# Altium PCB dv_cm.PcbDoc (part 1 of 2)
Units mm, origin at the board's own origin, x right, y up, seen from the top; angles counter-clockwise.
Board outline 86 x 62 mm, 4 copper layers (Top Layer, Ground, Power, Bottom Layer), stack 1.781 mm thick; 145 components, 168 nets, 872 pads, 199 vias.
Unrouted connection lines stored in the file: 3.
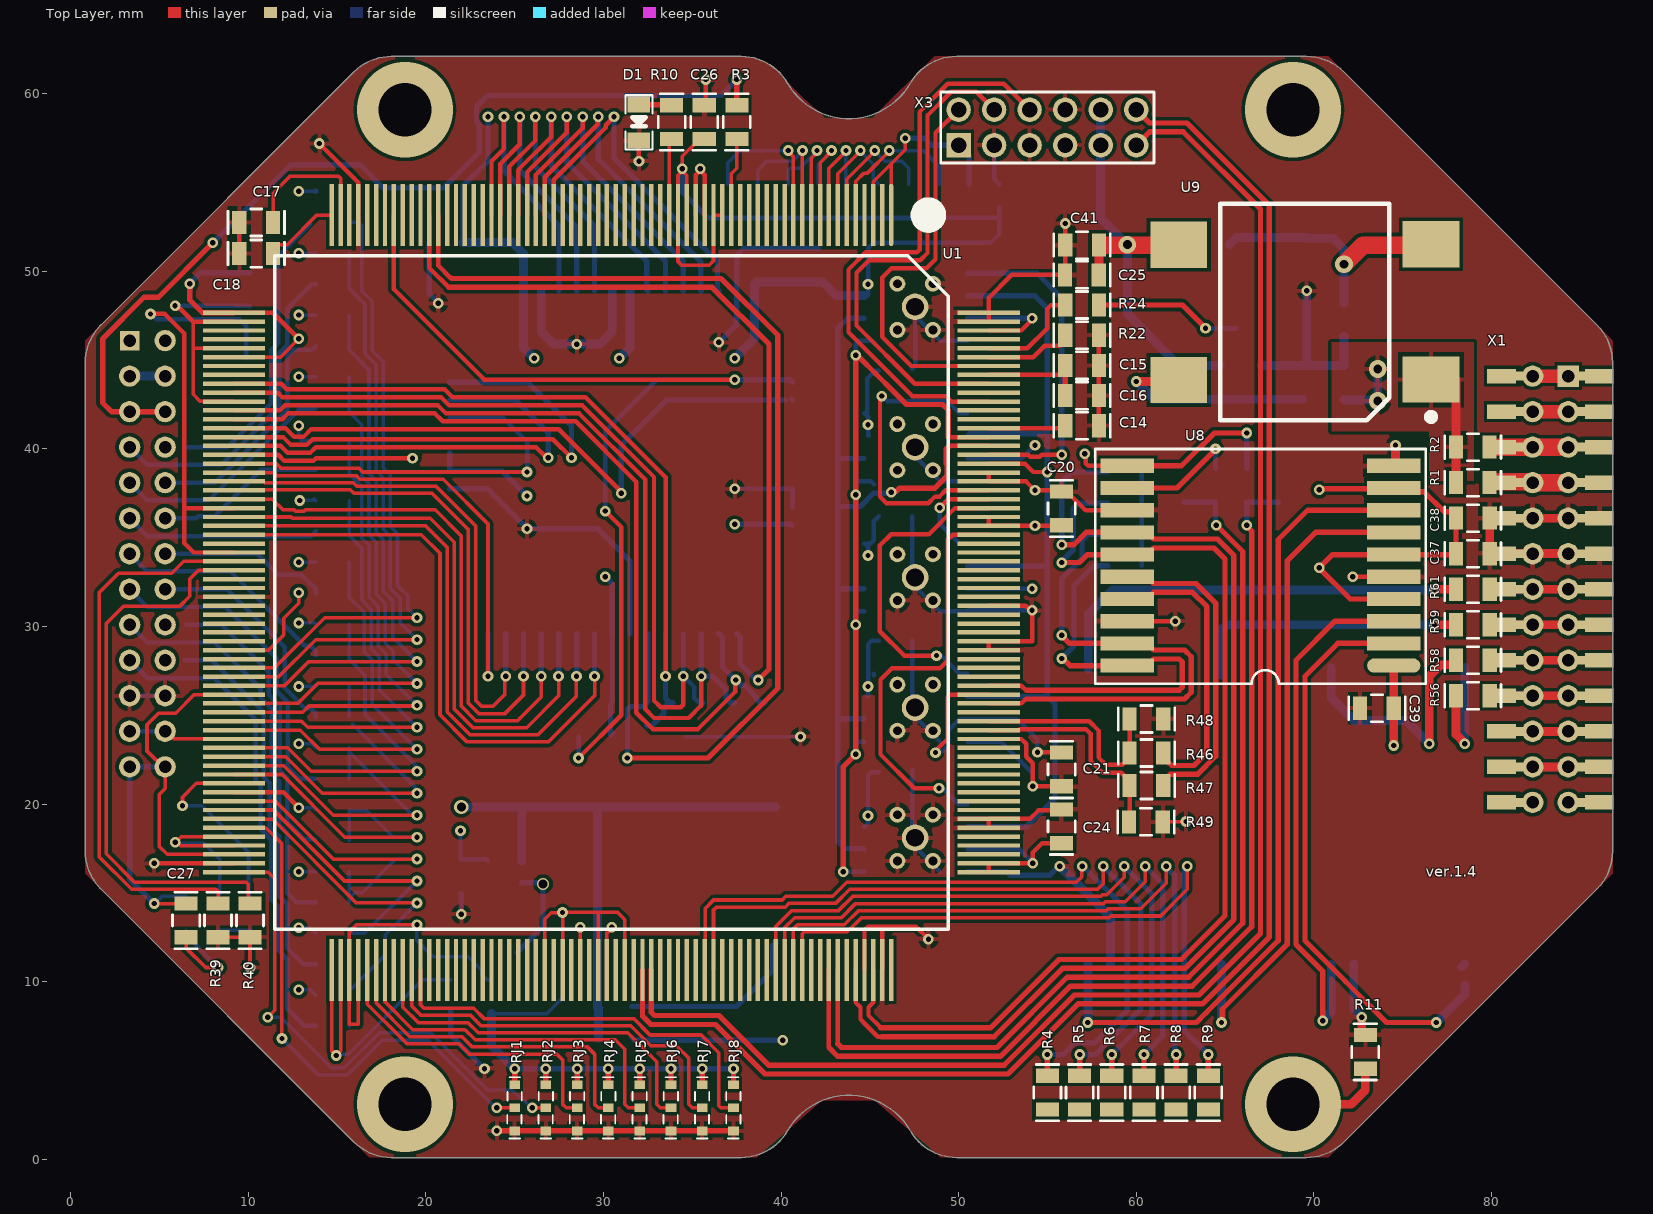
[diagram p0: Top Layer view]
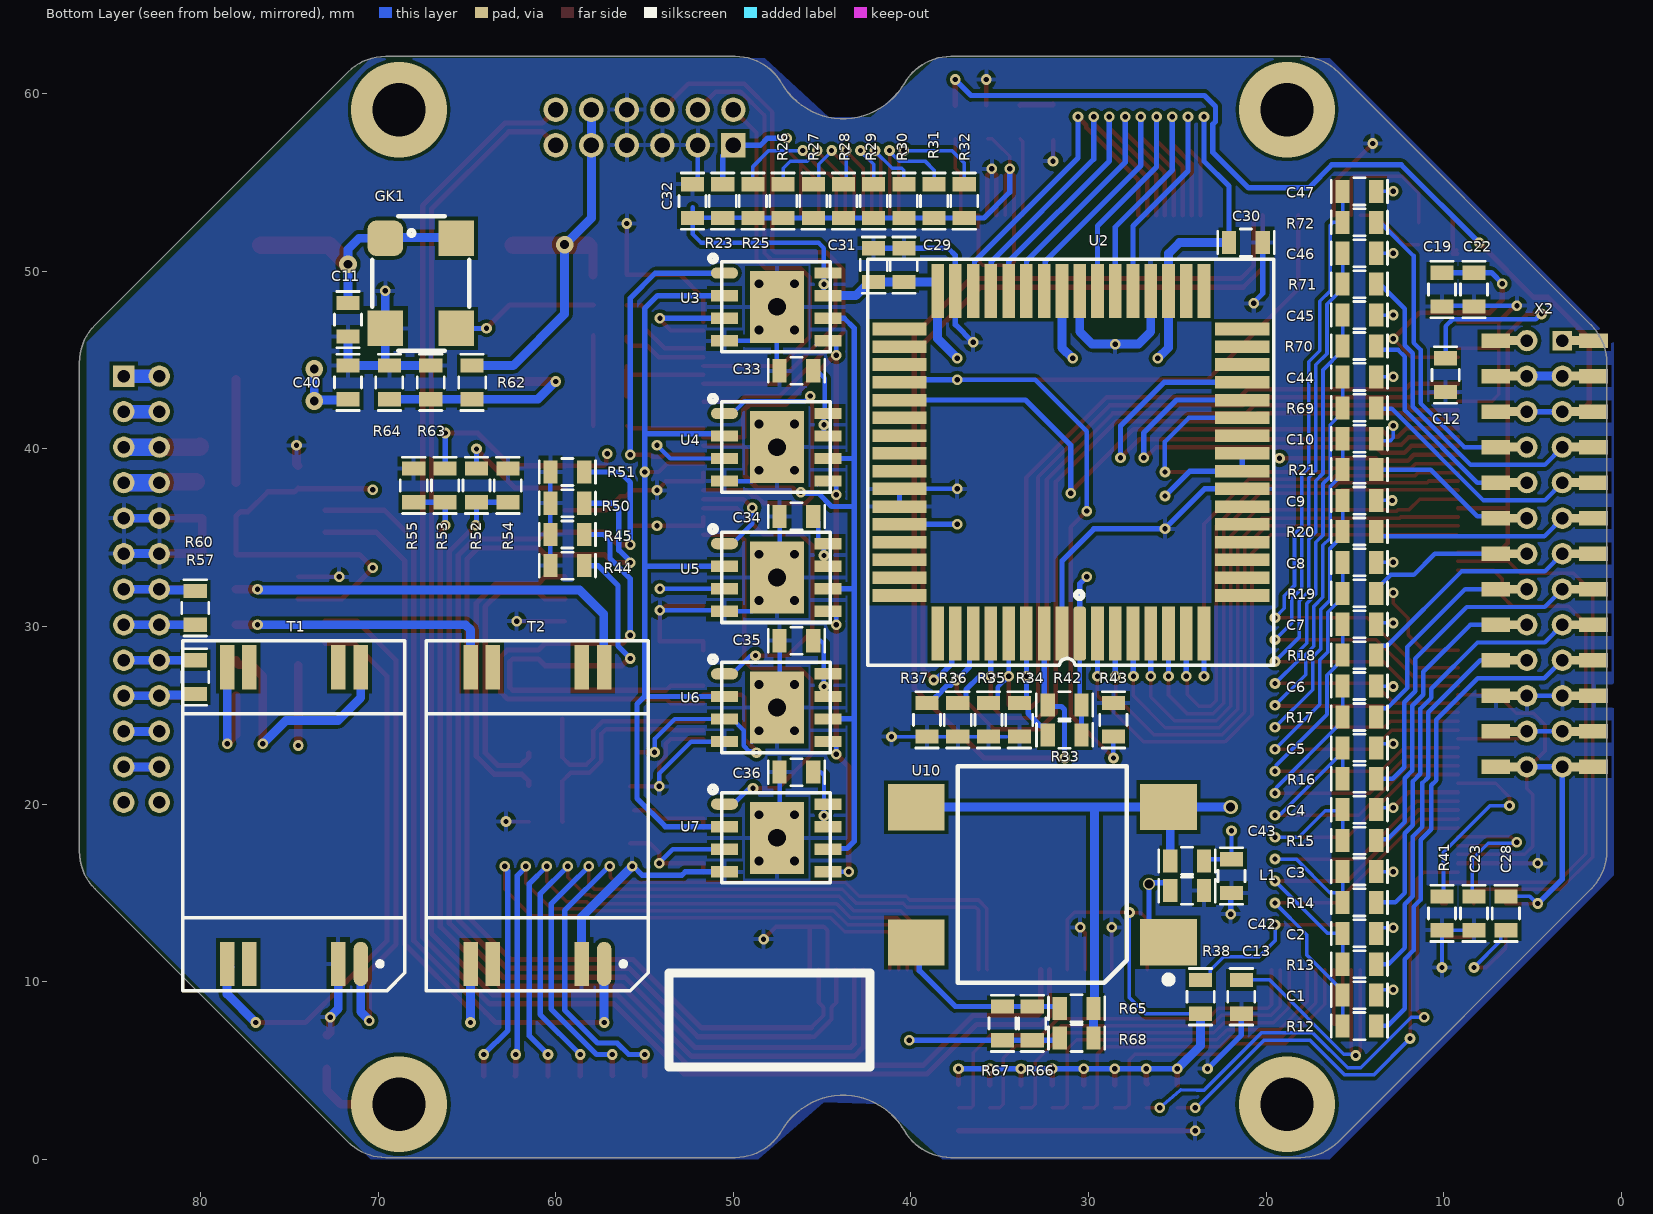
[diagram p1: Bottom Layer view, seen from below]
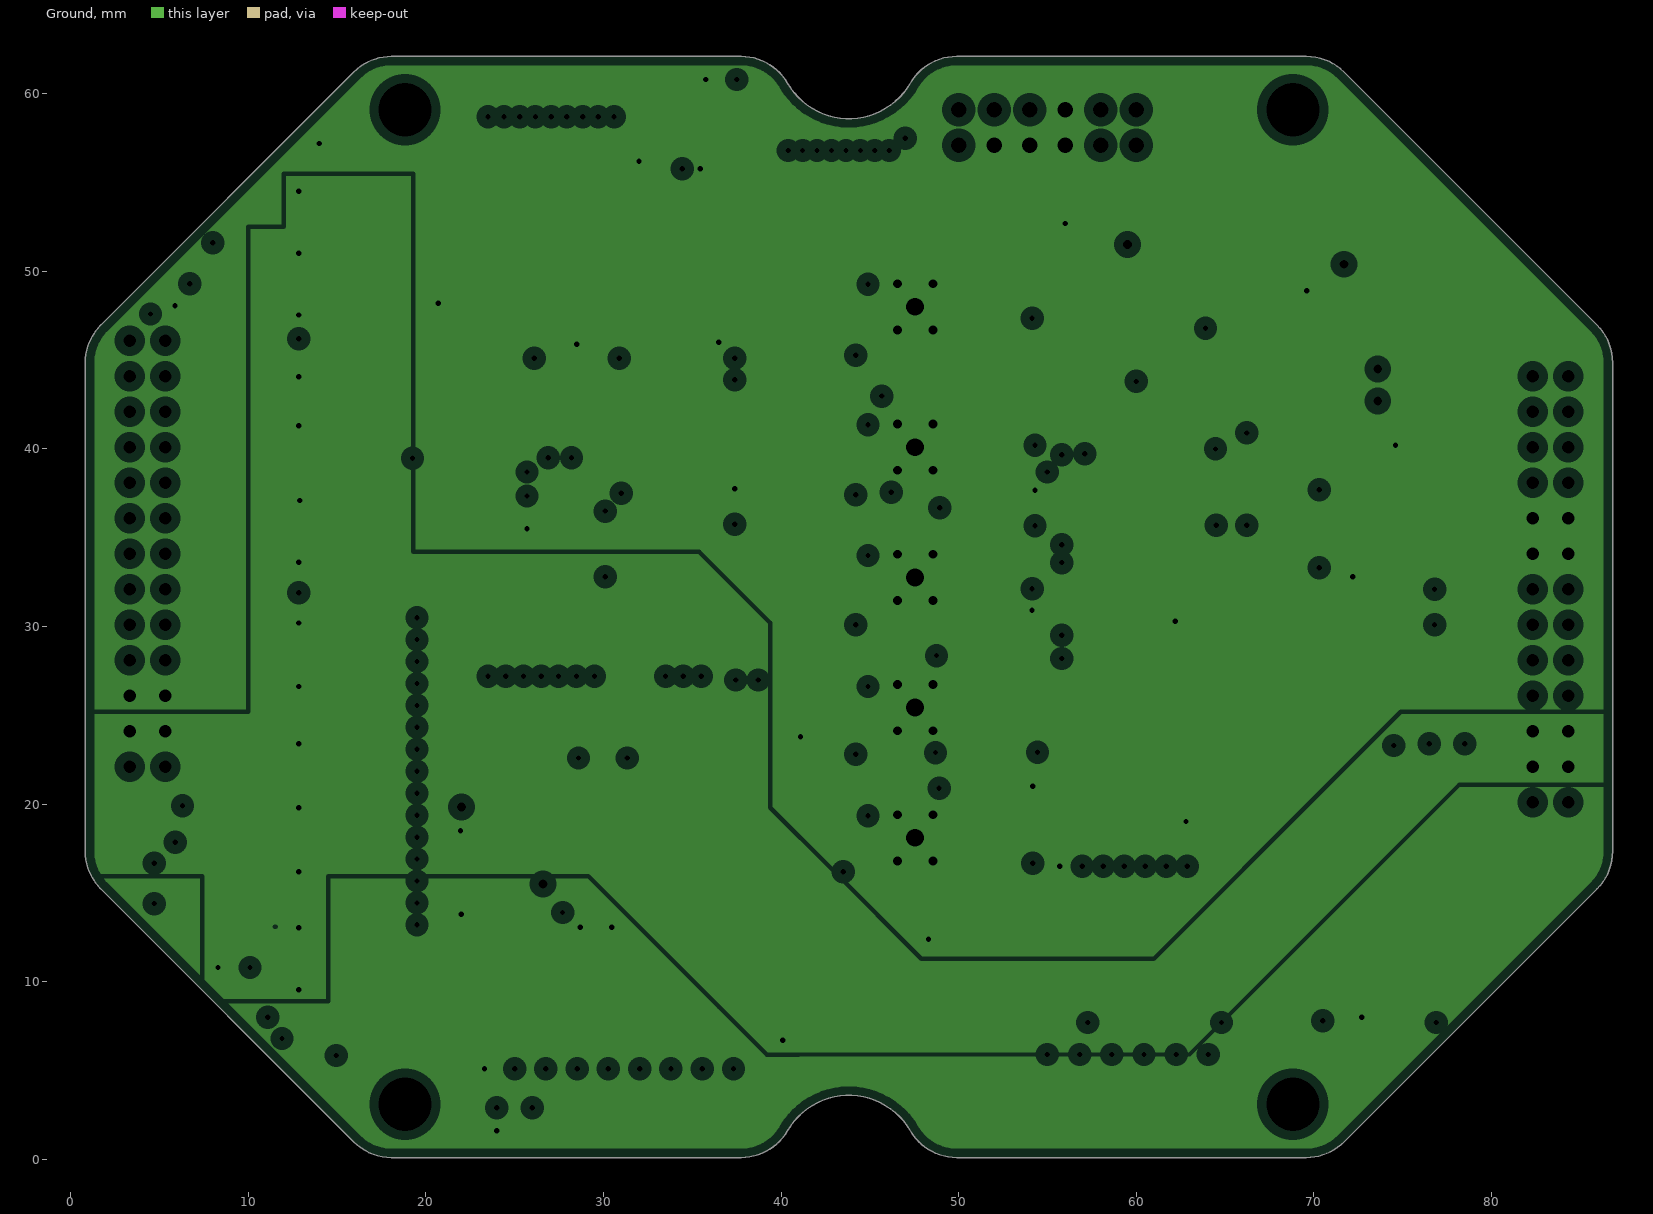
[diagram p2: Ground, clearances drawn from the general rule]
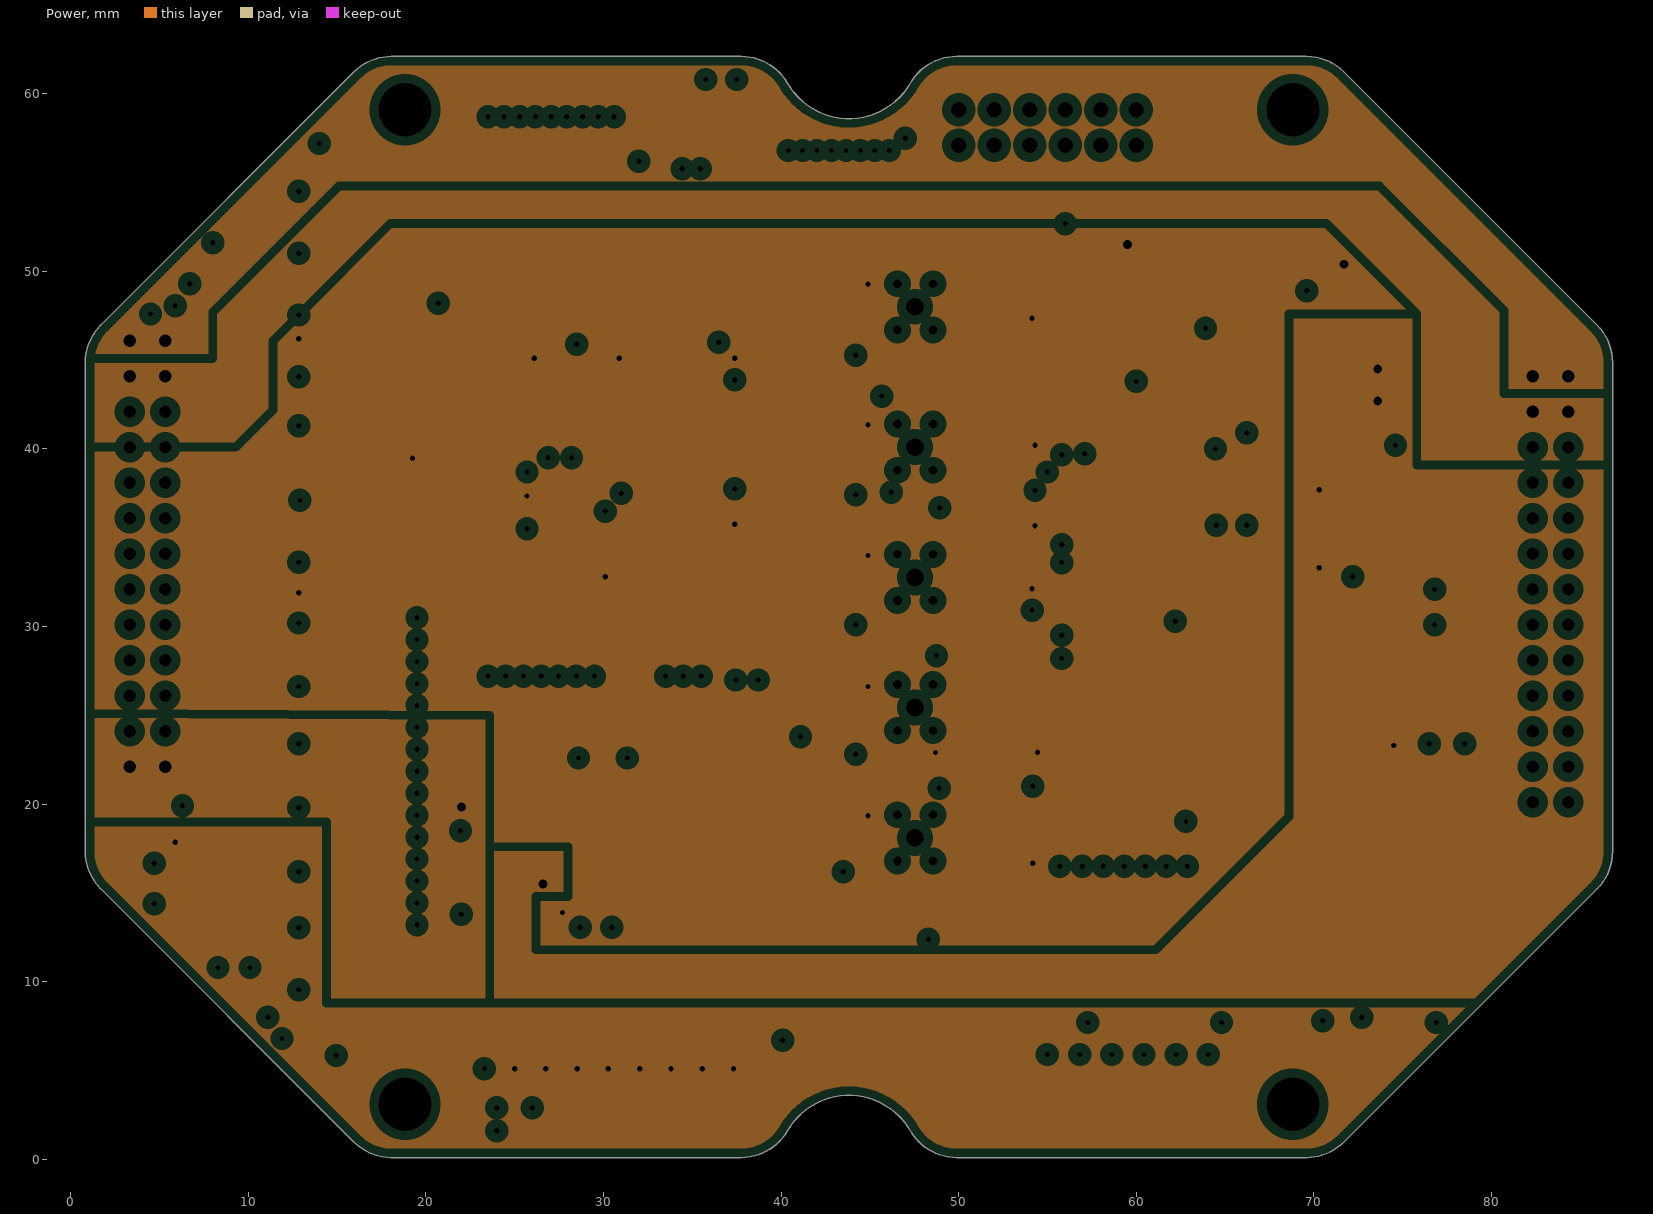
[diagram p3: Power, clearances drawn from the general rule]
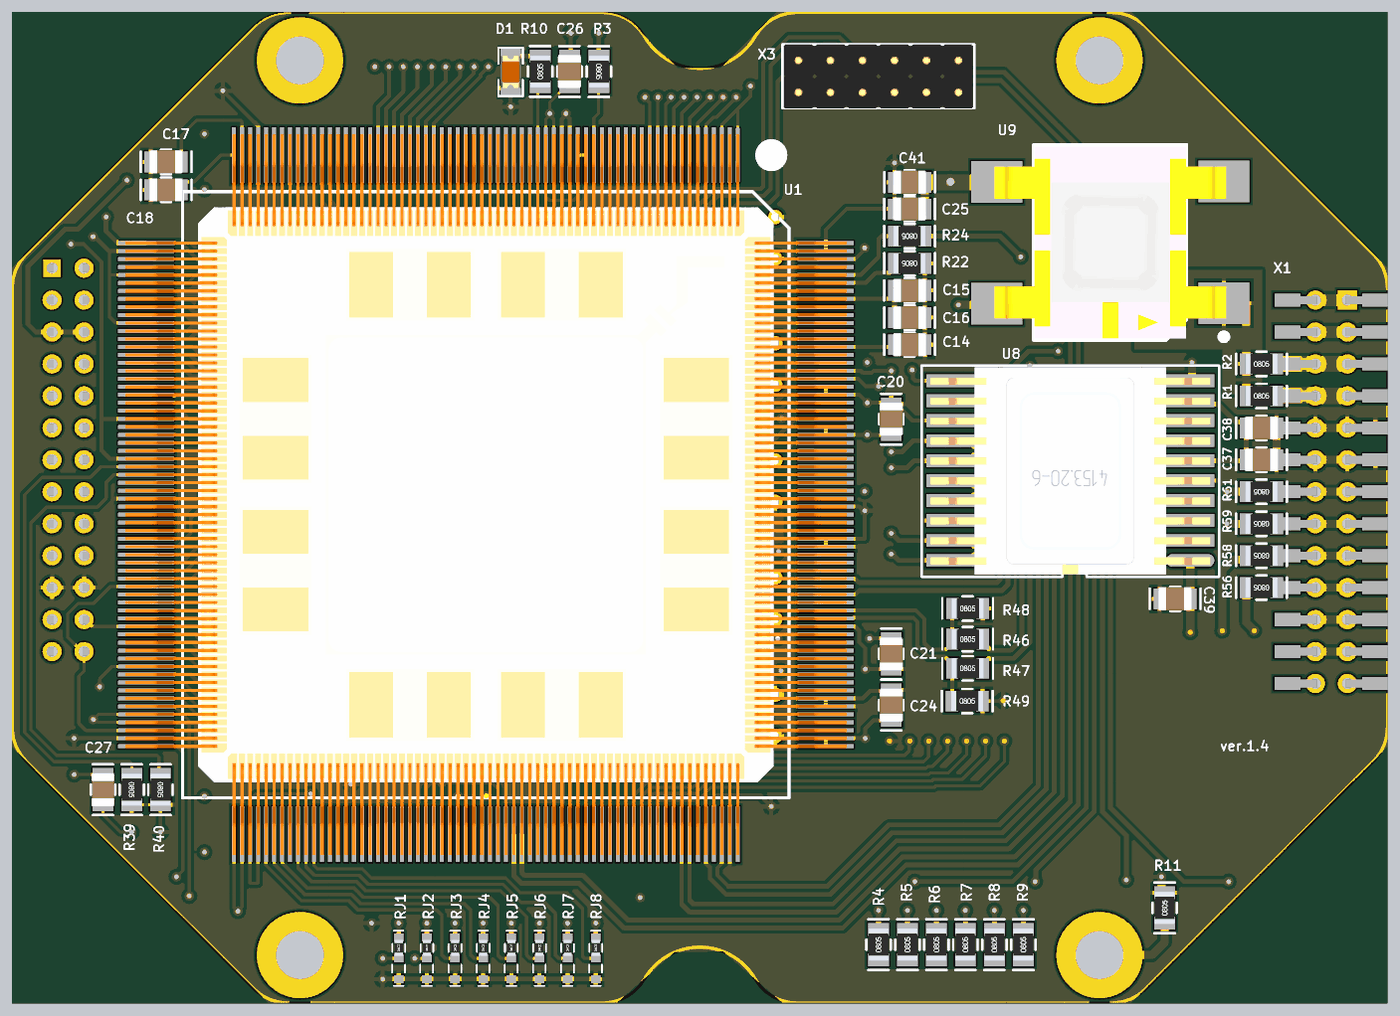
[diagram p5: 3D render of the assembled board from above, using the file's embedded part models]
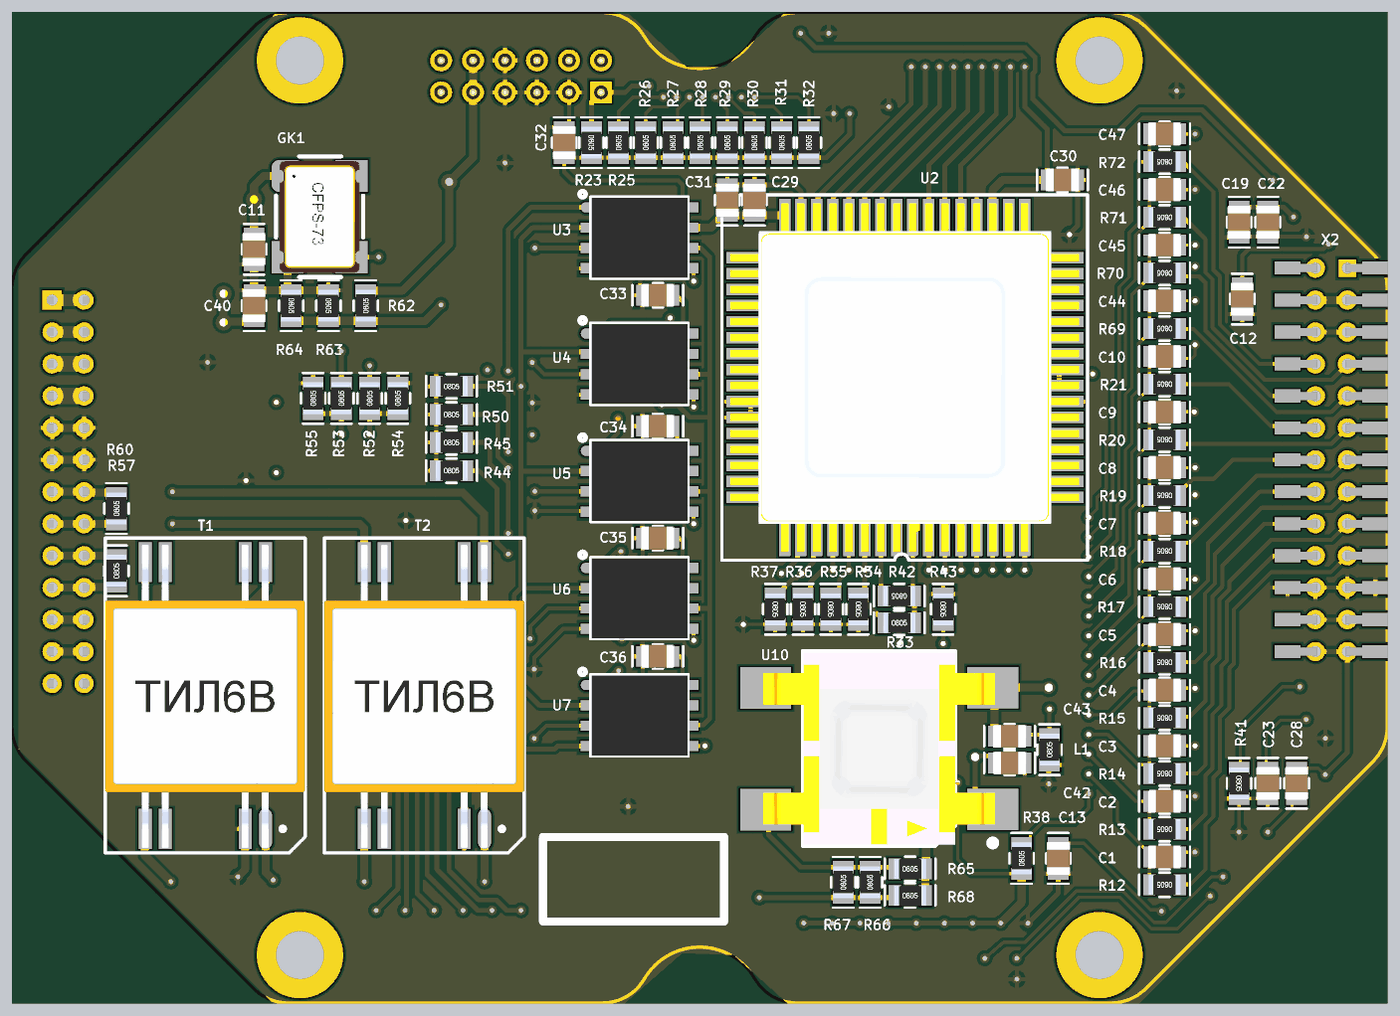
[diagram p6: 3D render of the assembled board from below, using the file's embedded part models]

## Layer stack, top to bottom
Top Solder: solder mask 0.0254, SM-001, Dk 4
Top Layer: signal copper 0.035
Dielectric 2: prepreg 0.0711, PP-006, Dk 4.1
Ground: plane copper 0.035, net (Multiple Nets)
Dielectric 1: core 1.4986, Core-043, Dk 4.3
Power: plane copper 0.035, net (Multiple Nets)
Dielectric 3: prepreg 0.0711, PP-006, Dk 4.1
Bottom Layer: signal copper 0.035
Bottom Solder: solder mask 0.0254, SM-001, Dk 4

## Board outline
15.945,0.979 ccw(c18.066,3.1) 18.066,0.1 37.761,0.1 ccw(c37.761,3.1) 40.359,1.6 cw(c43.824,-0.4) 47.288,1.6 ccw(c49.886,3.1) 49.886,0.1 69.581,0.1 ccw(c69.581,3.1) 71.702,0.979 85.945,15.221 ccw(c83.824,17.343) 86.824,17.343 86.824,44.857 ccw(c83.824,44.857) 85.945,46.979 71.702,61.221 ccw(c69.581,59.1) 69.581,62.1 49.886,62.1 ccw(c49.886,59.1) 47.288,60.6 cw(c43.824,62.6) 40.359,60.6 ccw(c37.761,59.1) 37.761,62.1 18.066,62.1 ccw(c18.066,59.1) 15.945,61.221 1.702,46.979 ccw(c3.824,44.857) 0.824,44.857 0.824,17.343 ccw(c3.824,17.343) 1.702,15.221

## Design rules (kind name [scope] priority, off if disabled: settings)
Clearance [All] p1: gap=0.2 ignorepadtopadclearanceinfootprint=FALSE
ComponentClearance [All] p1: gap=0 collisioncheckmode=3 verticalgap=0.2 showdistances=FALSE
DiffPairsRouting [All] p1: maxlimit=0.5 minlimit=0.2 mostfreqgap=0.3 toplayer_minwidth=0.2 toplayer_maxwidth=1 toplayer_prefwidth=0.3 bottomlayer_minwidth=0.2 bottomlayer_maxwidth=1 bottomlayer_prefwidth=0.3 maxuncoupledlength=10
HoleSize [All] p1: absolutevalues=TRUE maxlimit=7 minlimit=0.3 maxpercent=80.000 minpercent=20.000
NetAntennae [All] p1 off: netantennaetolerance=0
PlaneClearance [All] p1: clearance=0.508
PlaneConnect [All] p1: planeconnectstyle=Relief reliefexpansion=0.508 reliefentries=4 reliefconductorwidth=0.254 reliefairgap=0.254
PolygonConnect "Mechanical Hole" [(ObjectKind = 'Via') And (AsMM(HoleDiameter) > 1.5) vs IsPoly] p1: connectstyle=Direct reliefconductorwidth=0.254 reliefentries=4 polygonreliefangle="90 Angle" airgapwidth=0.254
PolygonConnect [All] p2: connectstyle=Relief reliefconductorwidth=0.254 reliefentries=4 polygonreliefangle="90 Angle" airgapwidth=0.254
RoutingVias [All] p1: holewidth=0.3 width=0.6 viastyle="Through Hole" minholewidth=0.2 minwidth=0.4 maxholewidth=4 maxwidth=5 useviatemplates=TRUE viatemplateguid#1={AF10F9FE-99E0-4319-AB82-797A3B2BEBF0} viatemplatename#1=v60h30
SilkToSilkClearance [All] p1: silktosilkclearance=0.2
SilkToSolderMaskClearance SilkToSolderMaskClearance_1 [IsPad] p1: minsilkscreentomaskgap=0.254 clearancetoexposedcopper=TRUE
SilkToSolderMaskClearance [IsPad] p2: minsilkscreentomaskgap=0.2 clearancetoexposedcopper=TRUE
SolderMaskExpansion [All] p1: expansion=0.102 istentingtop=FALSE
Width [All] p1: maxlimit=2 minlimit=0.2 preferedwidth=0.2
22 further rules are at their usual default settings.

## Classes and differential pairs
component class dv_mcu: D1 R1 R2 R3 R4 R5 R6 R7 R8 R9 R10 R11 X1 X2 X3 Ы*Ы
component class LPF_ADC2: C12 R13
component class LPF_ADC14: C47 R72
component class LPF_ADC13: C46 R71
component class LPF_ADC12: C45 R70
channel class dv_mcu_analog_lpf: LPF_ADC1 LPF_ADC2 LPF_ADC3 LPF_ADC4 LPF_ADC5 LPF_ADC6 LPF_ADC7 LPF_ADC8 LPF_ADC9 LPF_ADC10 LPF_ADC11 LPF_ADC12 LPF_ADC13 LPF_ADC14 LPF_DAC1 LPF_DAC2
net class ADC_IN_[0..13]: ADC_IN_0 ADC_IN_1 ADC_IN_2 ADC_IN_3 ADC_IN_4 ADC_IN_5 ADC_IN_6 ADC_IN_7 ADC_IN_8 ADC_IN_9 ADC_IN_10 ADC_IN_11 ADC_IN_12 ADC_IN_13
net class ADC_[0..13]: ADC_0 ADC_1 ADC_2 ADC_3 ADC_4 ADC_5 ADC_6 ADC_7 ADC_8 ADC_9 ADC_10 ADC_11 ADC_12 ADC_13
component class power: C40 C41 C42 C43 L1 R62 R63 R64 R65 R66 R67 R68 U9 U10
component class MPI_driver: C37 C38 C39 R44 R50 R54 R56 R58 R60 R61 R62 R63 R64 R65 R66 R67 R68 T1 T2 U8 С Ы*Ы
component class Memory: C29 C31 C33 C35 C36 C39 C41 C43 R42 R52 U2 U3 U4 U5 U6 U7
component class MCU: C12 C14 C16 C19 C21 C23 C25 C27 C29 C31 C33 C35 C36 C37 C39 C41 C43 GK1 R22 R24 R26 R31 R32 R37 R38 R40 R42 R44 R48 R50 R52 R54 RJ1 RJ2 RJ3 RJ4 RJ5 RJ6 RJ7 RJ8 U1
component class LPF_ADC11: C44 R69
component class LPF_ADC10: C10 R31
component class LPF_ADC9: C9 R40
component class LPF_ADC8: C8 R19
component class LPF_ADC7: C7 R38
component class LPF_ADC6: C16 R17
component class LPF_ADC5: C5 R26
component class LPF_ADC4: C14 R15
component class LPF_ADC3: C3 R24
component class LPF_ADC1: C1 R12

## Components (designator, comment, footprint, x,y, rotation, side; value= is the part's Value field where it differs from the comment)
C1 "K10-79" SMD_C0805 13.8,9.241 r0 bottom value=NU (schematic designator C19)
C2 "K10-79" SMD_C0805 13.8,12.722 r0 bottom value=NU (schematic designator C19)
C3 "K10-79" SMD_C0805 13.8,16.204 r0 bottom value=NU (schematic designator C19)
C4 "K10-79" SMD_C0805 13.8,19.685 r0 bottom value=NU (schematic designator C19)
C5 "K10-79" SMD_C0805 13.8,23.167 r0 bottom value=NU (schematic designator C19)
C6 "K10-79" SMD_C0805 13.8,26.648 r0 bottom value=NU (schematic designator C19)
C7 "K10-79" SMD_C0805 13.8,30.13 r0 bottom value=NU (schematic designator C19)
C8 "K10-79" SMD_C0805 13.8,33.611 r0 bottom value=NU (schematic designator C19)
C9 "K10-79" SMD_C0805 13.8,37.093 r0 bottom value=NU (schematic designator C19)
C10 "K10-79" SMD_C0805 13.8,40.574 r0 bottom value=NU (schematic designator C19)
C11 "K10-79" SMD_C0805 71.7,46.323 r90 bottom value=0,1мкФ (schematic designator C1)
C12 "K10-79" SMD_C0805 9.9,43.209 r90 bottom value=10мкФ (schematic designator C2)
C13 "K10-79" SMD_C0805 21.4,8.2 r90 bottom value=0,1мкФ (schematic designator C3)
C14 "K10-79" SMD_C0805 57.9,41.305 r180 top value=0,1мкФ (schematic designator C4)
C15 "K10-79" SMD_C0805 57.9,44.703 r180 top value=10мкФ (schematic designator C5)
C16 "K10-79" SMD_C0805 57.9,43.004 r180 top value=0,1мкФ (schematic designator C6)
C17 "K10-79" SMD_C0805 9.5,52.75 r0 top value=0,1мкФ (schematic designator C7)
C18 "K10-79" SMD_C0805 9.5,51 r0 top value=0,1мкФ (schematic designator C8)
C19 "K10-79" SMD_C0805 10.1,48.023 r90 bottom value=10мкФ (schematic designator C9)
C20 "K10-79" SMD_C0805 55.8,37.6 r270 top value=0,1мкФ (schematic designator C10)
C21 "K10-79" SMD_C0805 55.8,21 r90 top value=0,1мкФ (schematic designator C11)
C22 "K10-79" SMD_C0805 8.3,48.023 r90 bottom value=0,1мкФ (schematic designator C12)
C23 "K10-79" SMD_C0805 8.3,12.9 r90 bottom value=10мкФ (schematic designator C13)
C24 "K10-79" SMD_C0805 55.8,19.7 r270 top value=0,1мкФ (schematic designator C14)
C25 "K10-79" SMD_C0805 55.995,49.8 r0 top value=0,1мкФ (schematic designator C15)
C26 "K10-79" SMD_C0805 35.679,59.355 r270 top value=0,1мкФ (schematic designator C16)
C27 "K10-79" SMD_C0805 6.5,12.5 r90 top value=0,1мкФ (schematic designator C17)
C28 "K10-79" SMD_C0805 6.5,12.9 r90 bottom value=0,1мкФ (schematic designator C18)
C29 "K10-79" SMD_C0805 40.4,49.395 r90 bottom value=0,1мкФ (schematic designator C20)
C30 "K10-79" SMD_C0805 22.093,51.619 r180 bottom value=0,1мкФ (schematic designator C21)
C31 "K10-79" SMD_C0805 42.1,51.3 r270 bottom value=10мкФ (schematic designator C22)
C32 "K10-79" SMD_C0805 52.3,54.905 r270 bottom value=0,1мкФ (schematic designator C23)
C33 "K10-79" SMD_C0805 47.4,44.4 r180 bottom value=0,1мкФ (schematic designator C24)
C34 "K10-79" SMD_C0805 47.4,36.2 r180 bottom value=0,1мкФ (schematic designator C25)
C35 "K10-79" SMD_C0805 47.4,29.2 r180 bottom value=0,1мкФ (schematic designator C26)
C36 "K10-79" SMD_C0805 47.4,21.8 r180 bottom value=0,1мкФ (schematic designator C27)
C37 "K10-79" SMD_C0805 79.905,34.099 r180 top value=10мкФ (schematic designator C28)
C38 "K10-79" SMD_C0805 79.905,36.099 r180 top value=0,1мкФ (schematic designator C29)
C39 "K10-79" SMD_C0805 72.6,25.4 r0 top value=10мкФ (schematic designator C30)
C40 "K10-79" SMD_C0805 71.7,44.7 r270 bottom value=0,1мкФ (schematic designator C31)
C41 "K10-79" SMD_C0805 56,51.474 r0 top value=10мкФ (schematic designator C32)
C42 "K10-79" SMD_C0805 23.5,15.126 r0 bottom value=0,1мкФ (schematic designator C33)
C43 "K10-79" SMD_C0805 23.5,16.8 r0 bottom value=10мкФ (schematic designator C34)
C44 "K10-79" SMD_C0805 13.8,44.056 r0 bottom value=NU (schematic designator C19)
C45 "K10-79" SMD_C0805 13.8,47.537 r0 bottom value=NU (schematic designator C19)
C46 "K10-79" SMD_C0805 13.8,51.019 r0 bottom value=NU (schematic designator C19)
C47 "K10-79" SMD_C0805 13.8,54.501 r0 bottom value=NU (schematic designator C19)
D1 "LED" LED-0805 32,59.4 r270 top value=red
GK1 "GK108" SMD_7050_Crystal_Oscillator 69.6,51.862 r270 bottom
L1 "1мкГн" SMD_0805 21.953,15 r90 bottom
R1 "OSM R1-12" SMD_0805 78,38.1 r0 top value=0
R2 "OSM R1-12" SMD_0805 78,40.1 r0 top value=0
R3 "OSM R1-12" SMD_0805 37.512,59.355 r270 top value=1к
R4 "OSM R1-12" SMD_0805 55,2.8 r90 top value=1к
R5 "OSM R1-12" SMD_0805 56.812,2.8 r90 top value=1к
R6 "OSM R1-12" SMD_0805 58.624,2.8 r90 top value=1к
R7 "OSM R1-12" SMD_0805 60.436,2.8 r90 top value=1к
R8 "OSM R1-12" SMD_0805 62.248,2.8 r90 top value=1к
R9 "OSM R1-12" SMD_0805 64.06,2.8 r90 top value=1к
R10 "OSM R1-12" SMD_0805 33.845,57.455 r90 top value=1к
R11 "OSM R1-12" SMD_0805 72.9,5.1 r90 top value=100к
R12 "OSM R1-12" SMD_0805 13.8,7.5 r0 bottom value=0 (schematic designator R32)
R13 "OSM R1-12" SMD_0805 13.8,10.981 r0 bottom value=0 (schematic designator R32)
R14 "OSM R1-12" SMD_0805 13.8,14.463 r0 bottom value=0 (schematic designator R32)
R15 "OSM R1-12" SMD_0805 13.8,17.944 r0 bottom value=0 (schematic designator R32)
R16 "OSM R1-12" SMD_0805 13.8,21.426 r0 bottom value=0 (schematic designator R32)
R17 "OSM R1-12" SMD_0805 13.8,24.907 r0 bottom value=0 (schematic designator R32)
R18 "OSM R1-12" SMD_0805 13.8,28.389 r0 bottom value=0 (schematic designator R32)
R19 "OSM R1-12" SMD_0805 13.8,31.87 r0 bottom value=0 (schematic designator R32)
R20 "OSM R1-12" SMD_0805 13.8,35.352 r0 bottom value=0 (schematic designator R32)
R21 "OSM R1-12" SMD_0805 13.8,38.833 r0 bottom value=0 (schematic designator R32)
R22 "OSM R1-12" SMD_0805 57.9,46.402 r180 top value=2к (schematic designator R12)
R23 "OSM R1-12" SMD_0805 50.6,54.905 r270 bottom value=2к (schematic designator R13)
R24 "OSM R1-12" SMD_0805 57.9,48.101 r180 top value=30 (schematic designator R14)
R25 "OSM R1-12" SMD_0805 48.9,53 r90 bottom value=1к (schematic designator R15)
R26 "OSM R1-12" SMD_0805 47.2,53 r90 bottom value=1к (schematic designator R16)
R27 "OSM R1-12" SMD_0805 45.5,53 r90 bottom value=NU (schematic designator R17)
R28 "OSM R1-12" SMD_0805 43.8,53 r90 bottom value=1к (schematic designator R18)
R29 "OSM R1-12" SMD_0805 42.1,53 r90 bottom value=NU (schematic designator R19)
R30 "OSM R1-12" SMD_0805 40.4,53 r90 bottom value=1к (schematic designator R20)
R31 "OSM R1-12" SMD_0805 38.7,53 r90 bottom value=NU (schematic designator R21)
R32 "OSM R1-12" SMD_0805 37,53 r90 bottom value=NU (schematic designator R22)
R33 "OSM R1-12" SMD_0805 32.3,23.9 r180 bottom value=10к (schematic designator R23)
R34 "OSM R1-12" SMD_0805 33.9,25.7 r270 bottom value=10к (schematic designator R24)
R35 "OSM R1-12" SMD_0805 35.633,25.7 r270 bottom value=10к (schematic designator R25)
R36 "OSM R1-12" SMD_0805 37.367,25.7 r270 bottom value=10к (schematic designator R26)
R37 "OSM R1-12" SMD_0805 39.1,25.7 r270 bottom value=10к (schematic designator R27)
R38 "OSM R1-12" SMD_0805 23.693,8.2 r90 bottom value=1к (schematic designator R28)
R39 "OSM R1-12" SMD_0805 8.3,14.405 r270 top value=120к (schematic designator R29)
R40 "OSM R1-12" SMD_0805 10.1,14.405 r270 top value=120к (schematic designator R30)
R41 "OSM R1-12" SMD_0805 10.1,14.8 r270 bottom value=120к (schematic designator R31)
R42 "OSM R1-12" SMD_0805 30.4,25.573 r0 bottom value=2k4 (schematic designator R33)